# KiCad board poly_kb.kicad_pcb (continued)
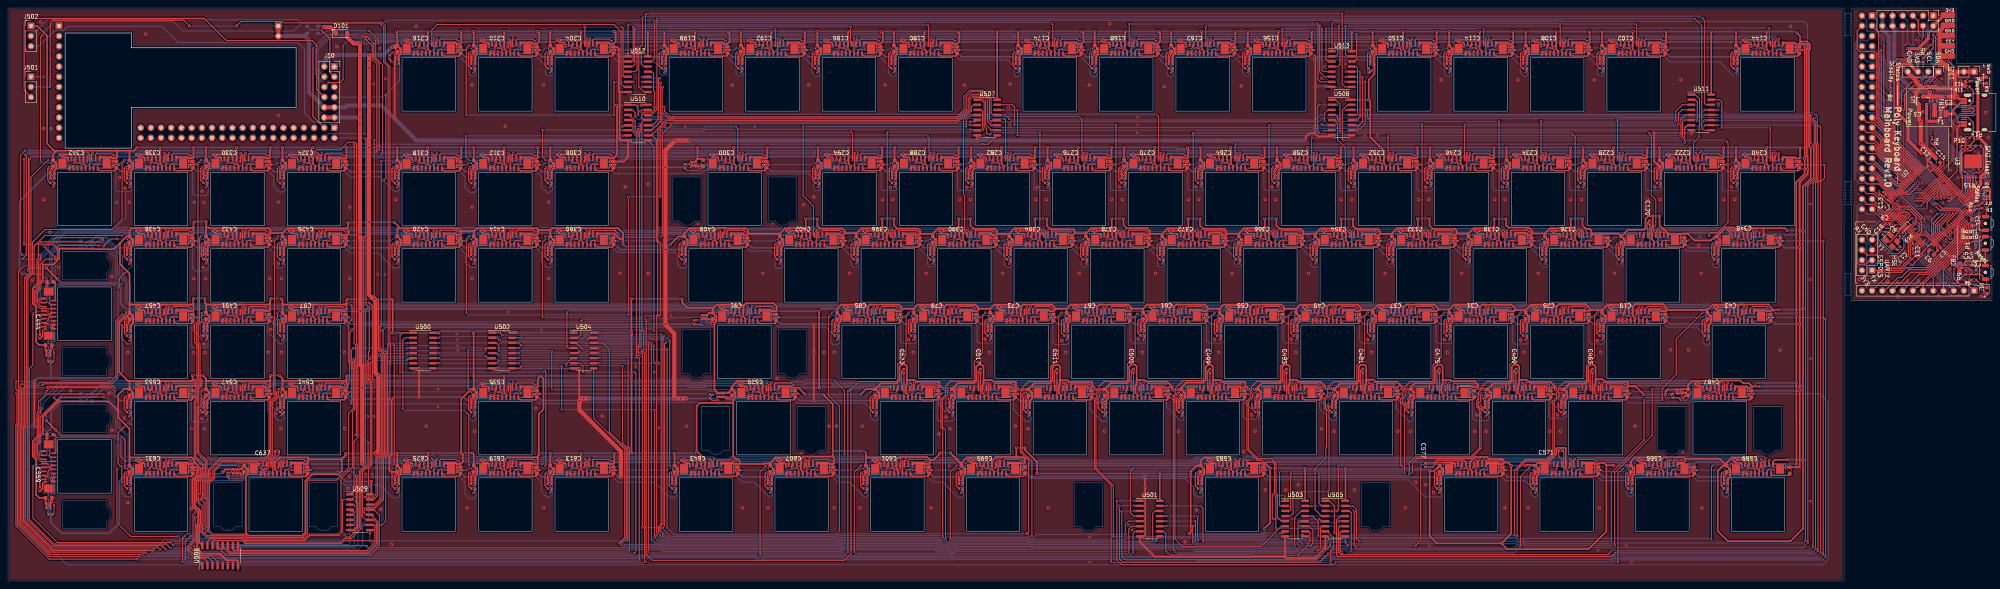
[diagram p0: board, top side]
## Routing (per net, layer and track width the routed paths; a pad name or vN(x,y) marks a point on that pad's centre or on a via; arc(x,y) is an arc through that point) (continued)
  Bottom w0.254: 349.41,135.82 349.41,135.52 v2(349.7,135.23) ; 173.04,135.82 173.04,135.52 v2(173.33,135.23) ; 144.62,107.25 144.62,106.94 v2(144.91,106.66) ; 125.57,107.2 125.57,106.89 v2(125.86,106.61) ; 106.52,107.2 106.52,106.89 v2(106.81,106.61) ; 77.95,107.2 77.95,106.89 v2(78.23,106.61) ; 58.9,107.25 58.9,106.94 v2(59.18,106.66) ; 39.85,107.25 39.85,106.94 v2(40.13,106.66) ; 20.8,107.25 20.8,106.94 v2(21.08,106.66) ; 125.57,50.1 125.57,49.79 v2(125.86,49.51) ; 144.62,31.05 144.62,30.74 v2(144.91,30.46) ; 175.58,30.74 v2(175.87,30.46) ; v2(175.87,30.46) 175.38,30.94 172.51,30.94 172.34,31.12 133.47,31.12 ; v2(175.87,30.46) 179.35,30.46 179.88,30.99 199.08,30.99 v2(199.68,30.39) ; v2(125.86,135.23) 125.58,135.52 125.58,135.82 ; 220.82,87.45 v2(220.89,87.39) ; v2(220.89,87.39) 221.54,88.04 239.28,88.04 239.88,87.43 v2(239.88,87.32) ; v2(220.89,87.39) 220.24,88.04 202.13,88.04 201.82,87.73 v2(201.82,87.42) 201.82,87.74 201.29,88.27 194.28,88.27 193.95,87.93 183.26,87.93 183.23,87.9 178.95,87.9 v2(178.37,87.32) 177.59,88.11 174.92,88.11 174.92,88.11 172.32,88.11 172.31,88.11 161.9,88.11 161.14,87.35 v2(144.91,87.35) ; 316.07,87.33 v2(316.08,87.32) ; v2(316.08,87.32) 315.39,88.01 297.72,88.01 v2(297.03,87.32) ; v2(316.08,87.32) 316.72,87.96 333.58,87.96 333.68,88.06 334.62,88.06 335.13,87.55 v2(335.13,87.32) ; 133.47,31.12 133.47,31.11 ; 133.47,31.12 133.09,30.73 131.72,30.73 131.7,30.75 130.84,30.75 130.82,30.73 126.38,30.73 v2(125.86,30.21) 125.57,30.5 125.57,30.51 125.09,30.99 115.44,30.99 115.19,31.24 107.59,31.24 v2(106.81,30.46) 106.02,31.24 95.22,31.24 94.85,30.88 69.4,30.88 v2(68.7,30.18) 68.48,30.4 68.48,30.45 68.01,30.92 62.95,30.92 62.66,30.63 47.06,30.63 46.94,30.75 40.77,30.75 v2(40.19,30.18) ; v2(230.49,135.23) 230.49,135.52 230.19,135.82 ; v2(344.95,106.66) 344.95,106.95 344.65,107.25 ; v2(4.21,107.3) 4.23,107.32 10.47,107.32 ; 354.17,87.53 v2(354.28,87.43) ; v2(354.28,87.43) 353.7,88.01 335.82,88.01 v2(335.13,87.32) ; v2(354.28,87.43) 354.79,87.93 371.88,87.93 372.03,88.09 372.55,88.09 v2(373.19,87.44) ; 410.14,107.32 353.09,107.32 ; 410.14,107.32 439.82,107.32 439.98,107.16 ; 410.14,107.32 410.05,107.32 ; 325.6,107.25 325.9,106.95 v2(325.9,106.66) ; 92.56,107.57 92.71,107.57 93.01,107.27 133.62,107.27 133.66,107.31 133.82,107.31 133.83,107.32 172.23,107.32 ; 211.48,135.79 250.05,135.79 250.15,135.89 251.03,135.89 ; 211.48,135.79 201.26,135.79 201.15,135.89 166,135.89 165.9,135.79 159.19,135.79 159.09,135.89 133.83,135.89 133.83,135.89 114.78,135.89 114.73,135.94 88.25,135.94 v2(88.07,135.77) 87.89,135.94 79.91,135.94 76.53,132.56 76.53,126.3 78.21,124.62 79.85,124.62 J10.5 ; 211.48,135.79 211.44,135.75 v2(211.44,135.23) ; v2(225.68,49.31) 226.31,49.94 226.31,49.96 243.92,49.96 v2(244.64,49.25) 245.11,49.25 245.82,49.96 262.96,49.96 262.96,49.96 263.03,49.96 v2(263.77,49.23) ; v2(225.68,49.31) 225.59,49.41 ; v2(225.68,49.31) 225.68,49.45 224.96,50.17 221.82,50.17 221.28,49.63 206.27,49.63 205.74,50.17 ; v2(263.77,49.23) 263.69,49.31 ; v2(263.77,49.23) 264.52,49.99 282.41,49.99 282.74,49.66 v2(282.74,49.22) ; v2(106.83,135.23) 106.83,135.52 106.52,135.82 ; v2(320.8,49.35) 321.46,50.01 339.1,50.01 v2(339.89,49.22) ; v2(320.8,49.35) 320.8,49.46 320.27,49.99 302.55,49.99 v2(301.79,49.22) 301.79,49.44 301.24,49.99 283.51,49.99 v2(282.74,49.22) ; v2(320.8,49.35) 320.84,49.39 ; v2(258.93,87.32) 258.93,87.46 258.38,88.01 240.57,88.01 v2(239.88,87.32) ; v2(258.93,87.32) 259.62,88.01 277.39,88.01 277.98,87.42 v2(277.98,87.32) ; v2(258.93,87.32) 258.92,87.33 ; 382.75,107.25 383.05,106.95 v2(383.05,106.66) ; v2(199.68,30.39) 200.02,30.74 204.09,30.74 204.47,31.12 208.28,31.12 ; v2(199.68,30.39) 199.39,30.68 ; 251.03,135.89 252.08,135.89 252.18,135.79 261.44,135.79 ; 251.03,135.89 250.35,135.89 ; 171.93,107.32 172.23,107.32 ; 172.23,107.32 200.78,107.32 ; v2(397.1,49.28) 396.31,50.06 378.83,50.06 v2(377.99,49.22) ; v2(397.1,49.28) 397.84,50.01 422.36,50.01 422.37,50.02 424.98,50.02 424.98,50.01 427.62,50.01 v2(428.28,49.35) ; v2(397.1,49.28) 397.04,49.34 ; v2(318.6,135.23) 318.6,135.52 318.3,135.82 ; 230.35,107.25 230.65,106.95 v2(230.65,106.66) ; 268.45,107.25 268.75,106.95 v2(268.75,106.66) ; v2(239.88,87.32) 239.87,87.33 ; 144.62,135.82 144.93,135.52 v2(144.93,135.23) ; v2(277.98,87.32) 277.97,87.33 ; v2(277.98,87.32) 278.72,88.06 296.29,88.06 v2(297.03,87.32) ; 208.28,31.12 208.28,31.62 v2(208.28,31.62) ; 208.28,31.12 208.28,31.12 216.41,31.12 216.54,30.99 222.88,30.99 v2(223.58,30.28) 224.05,30.75 235.57,30.75 235.8,30.99 246.42,30.99 v2(247.15,30.26) ; v2(440.19,106.67) 440.19,106.96 439.9,107.25 ; v2(358.94,49.22) 358.94,49.27 358.17,50.04 340.71,50.04 v2(339.89,49.22) ; v2(358.94,49.22) 358.94,49.23 ; v2(358.94,49.22) 359.73,50.01 377.47,50.01 377.99,49.49 v2(377.99,49.22) ; 67.22,107.27 67.17,107.32 29.05,107.32 10.47,107.32 ; 67.22,107.27 91.41,107.27 91.69,107.54 v2(92.41,107.54) ; 67.22,107.27 67.15,107.27 ; v2(297.03,87.32) 297.02,87.33 ; 125.57,87.64 v2(125.86,87.35) 126.6,88.09 137.69,88.09 137.69,88.09 138.92,88.09 138.93,88.1 141.53,88.1 141.54,88.09 144.17,88.09 v2(144.91,87.35) ; v2(406.86,135.23) 406.86,135.52 406.56,135.82 ; 335.12,87.33 v2(335.13,87.32) ; 353.09,107.32 334.04,107.32 ; 353.09,107.32 352.9,107.32 ; v2(435.48,87.33) 434.72,88.09 432.03,88.09 432.03,88.09 429.42,88.09 429.42,88.09 411.27,88.09 v2(410.98,87.8) 410.65,88.13 409.52,88.13 409.35,87.96 392.81,87.96 392.71,87.86 v2(391.67,87.86) 391.24,88.29 390.17,88.29 389.78,87.9 378.15,87.9 377.69,87.44 v2(373.19,87.44) ; v2(364,106.66) 364,106.95 363.7,107.25 ; v2(377.99,49.22) 377.99,49.33 ; v2(339.89,49.22) 339.89,49.23 ; v2(192.39,135.23) 192.39,135.52 192.09,135.82 ; 261.44,135.79 261.45,135.78 v2(261.45,135.23) 261.45,135.52 ; 261.44,135.79 270.95,135.79 ; 205.74,50.17 198.53,50.17 198.17,49.81 195.16,49.81 194.86,49.51 v2(190.15,49.51) 189.63,49.51 189.1,50.04 173.6,50.04 173.1,49.53 170.05,49.53 169.42,50.17 91.18,50.17 v2(91.07,50.06) 90.71,50.42 84.87,50.42 84.26,49.8 83.5,49.8 82.99,49.29 82.99,49.28 v2(78.23,49.28) 77.55,49.96 77.55,49.96 77.5,50.01 64.4,50.01 64.11,49.72 63.79,49.72 63.3,49.23 v2(59.18,49.23) 58.9,49.51 58.9,49.61 58.5,50 47.1,50 46.99,50.11 46.99,50.17 46.84,50.32 45.9,50.32 45.57,49.99 40.9,49.99 v2(40.13,49.23) 39.4,49.96 39.4,49.99 13.32,49.99 8.12,44.8 v2(8.12,43.12) ; 205.74,50.17 205.74,50.02 v2(205.74,50.01) ; v2(211.6,106.66) 211.6,106.95 211.3,107.25 ; v2(387.81,135.23) 387.81,135.52 387.51,135.82 ; 249.4,107.25 249.7,106.95 v2(249.7,106.66) ; 200.78,107.32 200.5,107.32 ; 200.78,107.32 291.09,107.32 291.11,107.3 294.21,107.3 294.23,107.32 334.04,107.32 ; v2(287.8,106.66) 287.8,106.95 287.5,107.25 ; v2(282.74,49.22) 282.74,49.23 ; 338.61,135.89 338.79,135.89 ; 338.79,135.89 357.86,135.89 ; 338.79,135.89 336.22,135.89 336.11,135.79 335.57,135.79 335.46,135.89 312.56,135.89 312.43,135.77 289.52,135.77 289.49,135.79 270.95,135.79 ; 10.47,107.32 10,107.32 ; 357.66,135.89 357.86,135.89 ; 357.86,135.89 429.1,135.89 439.97,135.89 440.19,135.67 v2(440.19,135.24) ; v2(299.55,135.23) 299.55,135.52 299.25,135.82 ; 247.02,30.39 v2(247.15,30.26) ; v2(247.15,30.26) 247.75,30.86 254.25,30.86 255.04,30.07 294.77,30.07 295.63,30.94 306.2,30.94 306.68,30.46 v2(306.83,30.46) 307.7,30.46 308.36,31.12 309.65,31.12 309.85,30.91 355.26,30.91 355.33,30.98 365.62,30.98 365.76,30.84 365.76,30.8 366.26,30.3 v2(366.37,30.3) 366.98,30.91 389.72,30.91 v2(390.18,30.46) 390.51,30.78 404.47,30.78 404.8,31.12 413.07,31.12 v2(413.99,30.2) 414.84,30.2 415.09,30.45 415.1,30.45 415.75,31.09 417.8,31.09 417.98,30.91 431.67,30.91 431.75,30.99 437.27,30.99 v2(437.67,30.59) ; 368.46,135.82 368.76,135.52 v2(368.76,135.23) ; 182.72,107.25 183.03,106.95 v2(183.03,106.66) ; 144.62,87.64 v2(144.91,87.35) ; v2(373.19,87.44) 373.22,87.48 ; 334.04,107.32 333.85,107.32 ; v2(433.04,68.27) 432.25,69.06 422.05,69.06 421.97,68.99 407.67,68.99 v2(406.96,68.27) 406.14,69.09 388.69,69.09 v2(387.88,68.27) 387.51,68.64 387.5,68.64 387.08,69.06 384.47,69.06 384.47,69.06 381.86,69.06 381.86,69.06 370.01,69.06 369.85,69.22 369.69,69.22 v2(368.75,68.27) 367.93,69.09 350.51,69.09 v2(349.7,68.27) 348.91,69.06 331.43,69.06 v2(330.65,68.28) 329.86,69.06 312.47,69.06 v2(311.68,68.27) 311.31,68.64 311.31,68.65 310.92,69.04 308.2,69.04 308.2,69.04 305.6,69.04 305.6,69.04 293.4,69.04 v2(292.63,68.27) 291.82,69.09 274.42,69.09 v2(273.61,68.27) 273.21,68.67 273.19,68.67 272.77,69.09 255.41,69.09 v2(254.6,68.27) 253.81,69.06 236.38,69.06 v2(235.59,68.27) 235.11,68.75 235.11,68.75 234.8,69.06 232.07,69.06 232.07,69.06 229.46,69.06 229.46,69.06 217.34,69.06 v2(216.55,68.27) 215.76,69.06 213.08,69.06 213.06,69.08 210.46,69.08 210.45,69.06 185.9,69.06 v2(185.39,68.56) 184.88,69.06 182.07,69.06 182.06,69.06 179.46,69.06 179.46,69.06 90.24,69.06 v2(89.92,69.39) 85.13,69.39 84.96,69.22 83.62,69.22 82.7,68.3 v2(78.23,68.3) 77.95,68.59 77.95,68.59 77.5,69.04 64.8,69.04 64.62,68.86 64.01,68.86 63.45,68.3 v2(59.18,68.3) 58.9,68.59 58.87,68.59 58.39,69.06 55.87,69.06 55.86,69.07 53.26,69.07 53.26,69.06 40.9,69.06 v2(40.13,68.3) 39.35,69.09 31.05,69.09 30.47,69.67 30.47,74.25 28.48,76.23 28.48,81.05 24.54,85 v2(23.62,85) ; 401.8,107.25 402.1,106.95 v2(402.1,106.66) ; v2(3.55,81.34) 3.56,81.35 v2(8.11,81.35) 9.65,82.89 9.65,83.72 11.16,85.22 v2(11.44,85.22) 13.63,87.41 26.64,87.41 27.35,88.11 39.4,88.11 v2(40.13,87.38) 40.9,88.14 58.4,88.14 v2(59.18,87.35) 59.92,88.09 71,88.09 71.01,88.09 72.25,88.09 72.25,88.09 74.85,88.09 74.86,88.09 77.47,88.09 v2(78.23,87.33) 78.69,87.78 83.67,87.78 84.01,88.11 100.87,88.11 100.87,88.11 103.48,88.11 103.48,88.11 106.05,88.11 v2(106.81,87.35) 111.28,87.35 112.07,88.14 124.48,88.14 124.49,88.14 125.08,88.14 125.58,87.64 ; v2(280.5,135.23) 280.5,135.52 280.2,135.82 ; 270.34,135.79 270.95,135.79 ; 306.55,107.25 306.85,106.95 v2(306.85,106.66)
MOSI1: length 3305.6
  Top w0.254: v2(412.26,134.6) 411.75,135.11 407.8,135.11 407.56,134.88 J102.14 ; v2(393.21,134.6) 392.7,135.11 388.75,135.11 388.51,134.88 J103.14 ; v2(374.16,134.6) 373.65,135.11 369.7,135.11 369.46,134.88 J104.14 ; v2(355.11,134.6) 354.6,135.11 350.65,135.11 350.41,134.88 J118.14 ; v2(323.99,134.6) 323.48,135.11 319.53,135.11 319.3,134.88 J119.14 ; v2(304.94,134.6) 304.43,135.11 300.48,135.11 300.25,134.88 J120.14 ; v2(285.89,134.6) 285.38,135.11 281.43,135.11 281.2,134.88 J121.14 ; v2(266.84,134.6) 266.33,135.11 262.38,135.11 262.15,134.88 J122.14 ; v2(235.89,134.6) 235.38,135.11 231.42,135.11 231.19,134.88 J123.14 ; v2(216.84,134.6) 216.33,135.11 212.37,135.11 212.14,134.88 J124.14 ; v2(197.79,134.6) 197.28,135.11 193.32,135.11 193.09,134.88 J125.14 ; v2(178.74,134.6) 178.23,135.11 174.27,135.11 174.04,134.88 J126.14 ; v2(150.32,134.6) 149.81,135.11 145.86,135.11 145.62,134.88 J127.14 ; v2(112.22,134.6) 111.71,135.11 107.76,135.11 107.53,134.88 J129.14 ; v2(426.54,106.03) 426.04,106.54 422.08,106.54 421.85,106.3 J130.14 ; v2(407.49,106.03) 406.99,106.54 403.03,106.54 402.8,106.3 J131.14 ; v2(388.44,106.03) 387.94,106.54 383.98,106.54 383.75,106.3 J132.14 ; v2(369.39,106.03) 368.89,106.54 364.93,106.54 364.7,106.3 J134.14 ; v2(350.34,106.03) 349.84,106.54 345.88,106.54 345.65,106.3 J135.14 ; v2(331.29,106.03) 330.79,106.54 326.83,106.54 326.6,106.3 J136.14 ; v2(312.24,106.03) 311.74,106.54 307.78,106.54 307.55,106.3 J137.14 ; v2(293.19,106.03) 292.69,106.54 288.73,106.54 288.5,106.3 J138.14 ; v2(274.14,106.03) 273.64,106.54 269.68,106.54 269.45,106.3 J139.14 ; v2(255.09,106.03) 254.59,106.54 250.63,106.54 250.4,106.3 J140.14 ; v2(236.04,106.03) 235.54,106.54 231.58,106.54 231.35,106.3 J141.14 ; v2(216.99,106.03) 216.49,106.54 212.53,106.54 212.3,106.3 J142.14 ; v2(188.42,106.03) 187.91,106.54 183.96,106.54 183.72,106.3 J143.14 ; v2(150.32,106.03) 149.81,106.54 145.86,106.54 145.62,106.3 J144.14 ; v2(131.27,105.98) 130.76,106.49 126.81,106.49 126.57,106.25 J145.14 ; v2(112.22,105.98) 111.71,106.49 107.76,106.49 107.53,106.25 J146.14 ; v2(83.64,105.98) 83.14,106.49 79.18,106.49 78.95,106.25 J147.14 ; v2(64.59,106.03) 64.09,106.54 60.13,106.54 59.9,106.3 J148.14 ; v2(45.54,106.03) 45.04,106.54 41.08,106.54 40.85,106.3 J149.14 ; v2(26.5,106.03) 25.99,106.54 22.03,106.54 21.8,106.3 J150.14 ; v2(283.67,86.98) 283.16,87.49 279.21,87.49 278.98,87.25 J113.14 ; v2(131.27,86.98) 130.76,87.49 126.81,87.49 126.57,87.25 J153.14 ; v2(64.59,86.98) 64.09,87.49 60.13,87.49 59.9,87.25 J156.14 ; v2(45.54,86.98) 45.04,87.49 41.08,87.49 40.85,87.25 J157.14 ; v2(355.11,67.93) 354.6,68.44 350.65,68.44 350.41,68.2 J16.14 ; v2(317.01,67.93) 316.5,68.44 312.55,68.44 312.31,68.2 J19.14 ; v2(297.96,67.93) 297.45,68.44 293.5,68.44 293.26,68.2 J20.14 ; v2(190.8,67.93) 190.29,68.44 186.34,68.44 186.11,68.2 J25.14 ; v2(45.54,67.93) 45.04,68.44 41.08,68.44 40.85,68.2 J28.14 ; v2(131.27,48.88) 130.76,49.39 126.81,49.39 126.57,49.15 J41.14 ; v2(395.59,29.83) 395.08,30.34 391.13,30.34 390.89,30.1 J47.14 ; v2(205.09,29.83) 204.58,30.34 200.63,30.34 200.39,30.1 J53.14 ; v2(150.32,29.83) 149.81,30.34 145.86,30.34 145.62,30.1 J54.14 ; v2(112.22,29.83) 111.71,30.34 107.76,30.34 107.53,30.1 J56.14 ; v2(131.27,134.6) 130.76,135.11 126.81,135.11 126.58,134.88 J128.14 ; v2(345.33,49) 345.12,49.21 340.94,49.21 340.89,49.15 J32.14 ; J59.14 176.58,30.1 176.64,30.16 180.49,30.16 180.85,29.81 v2(181.27,29.81) ; J108.14 374.23,87.25 374.46,87.49 378.39,87.49 v2(378.92,86.96) ; J18.14 331.36,67.75 332.05,68.44 335.55,68.44 v2(336.06,67.93) ; J110.14 145.62,87.25 145.8,87.43 151.05,87.43 v2(152.07,86.4) ; v2(374.16,67.93) 373.81,68.28 369.54,68.28 369.46,68.2 J15.14 ; J10.6 79.85,124.3 82.67,124.3 83.44,125.07 v2(83.44,133.55) ; J109.14 336.12,87.25 336.17,87.3 340.57,87.3 v2(340.85,87.02) ; v2(112.22,86.96) 111.7,87.49 107.76,87.49 107.53,87.25 J154.14 ; J50.14 438.52,30.1 v2(438.66,30.25) ; J23.14 236.11,67.75 236.8,68.44 240.3,68.44 v2(240.81,67.93) ; 12.16,44.99 13.02,45.85 v2(23.84,45.85) ; 12.16,44.99 v2(11.43,45.72) ; 12.16,44.99 7.99,40.82 7.99,36.27 8.19,36.07 8.19,34.72 7.39,33.91 7.39,31.75 7.82,31.33 J45.14 ; J151.14 202.77,87.25 202.92,87.4 207.03,87.4 v2(207.47,86.97) ; J114.14 259.93,87.25 259.93,87.26 264.33,87.26 v2(264.62,86.97) ; v2(288.33,49.04) 288.14,49.23 283.82,49.23 283.74,49.15 J36.14 ; J33.14 428.99,48.76 v2(429.29,49.05) ; J17.14 433.76,67.75 434.44,68.44 437.94,68.44 v2(438.45,67.93) ; v2(269.38,48.88) 269.11,49.16 264.69,49.16 264.69,49.15 J37.14 ; v2(89.66,49.32) 89.34,49.64 89.34,53.91 89.05,54.19 89.05,67.62 v2(89.36,67.92) ; v2(231.28,48.88) 231.01,49.16 227.18,49.16 226.59,48.56 J39.14 ; v2(245.57,86.98) 245.22,87.33 240.95,87.33 240.88,87.25 J115.14 ; v2(183.66,86.98) 183.16,87.48 179.19,87.48 178.96,87.25 J152.14 ; J42.14 78.95,49.15 79.18,49.39 83.4,49.39 v2(83.93,48.86) ; v2(22.7,83.66) 12.74,83.66 12.15,83.08 ; J58.14 69.43,30.1 69.66,30.34 73.6,30.34 v2(74.12,29.82) ; v2(45.54,29.81) 45.02,30.34 41.08,30.34 40.85,30.1 J57.14 ; v2(411.97,87.14) 412.32,86.79 J105.14 ; J116.14 221.82,87.25 221.95,87.38 226.12,87.38 v2(226.52,86.98) ; J27.14 59.9,68.2 60.13,68.44 64.08,68.44 v2(64.6,67.91) ; v2(402.73,48.88) 402.43,49.18 398.07,49.18 398.04,49.15 J29.14 ; v2(91.24,135) 91.55,134.69 91.55,130.45 93.27,128.73 93.27,106.6 v2(92.96,106.3) ; v2(321.77,86.97) 321.39,87.35 317.17,87.35 317.07,87.25 J111.14 ; v2(383.68,48.88) 383.38,49.18 379.02,49.18 378.99,49.15 J30.14 ; J158.14 7.81,69.41 7.38,69.84 7.38,72 8.19,72.8 8.19,74.16 7.99,74.36 7.99,78.91 9.35,80.27 11.97,80.27 12.26,80.57 12.26,82.97 12.15,83.08 ; J43.14 59.9,49.15 60.13,49.39 64.09,49.39 v2(64.6,48.88) ; v2(131.27,29.81) 130.74,30.34 126.81,30.34 126.57,30.1 J55.14 ; J38.14 245.64,49.15 245.69,49.21 249.99,49.21 v2(250.33,48.87) ; v2(416.82,30.14) 414.75,30.14 414.71,30.1 J46.14 ; 12.15,83.08 12.08,83.08 v2(11.23,83.93) 8.37,83.93 v2(8.35,83.91) ; J117.14 440.9,135.11 v2(441.02,135.23) ; v2(392.96,86.92) 393.27,86.6 J106.14 ; J133.14 440.9,106.56 v2(440.97,106.63) ; v2(259.86,67.93) 259.35,68.44 255.85,68.44 255.16,67.75 J22.14 ; v2(359.88,86.99) 359.54,87.33 355.25,87.33 355.18,87.25 J107.14 ; J44.14 40.85,49.15 41.03,49.33 v2(46.25,49.33) ; J112.14 298.02,87.25 298.1,87.33 302.35,87.33 v2(302.72,86.96) ; v2(436.4,87.17) 436.14,86.91 J101.14 ; v2(364.89,48.99) 364.58,49.29 360.08,49.29 359.94,49.15 J31.14 ; J24.14 217.06,67.75 217.75,68.44 221.25,68.44 v2(221.76,67.93) ; J34.14 321.84,49.15 321.89,49.21 326.2,49.21 v2(326.53,48.88) ; J155.14 78.95,87.25 79.18,87.49 83.7,87.49 v2(84.22,86.96) ; v2(195.57,48.86) 195.04,49.39 191.1,49.39 190.87,49.15 J40.14 ; v2(83.65,67.91) 83.13,68.44 79.18,68.44 78.95,68.2 J26.14 ; J13.14 407.56,67.75 408.25,68.44 411.75,68.44 v2(412.26,67.93) ; v2(392.93,68.09) 392.53,68.49 388.8,68.49 388.51,68.2 J14.14 ; J35.14 302.79,49.15 302.84,49.21 306.99,49.21 v2(307.18,49.02) ; v2(371.78,29.81) 371.64,29.95 368.62,29.95 368.44,30.12 367.1,30.12 367.08,30.1 J48.14 ; v2(309.06,30.17) 307.62,30.17 307.55,30.1 J49.14 ; v2(3.98,83.96) 3.98,105.17 v2(3.96,105.19) ; J21.14 274.21,67.75 274.9,68.44 278.4,68.44 v2(278.91,67.93) ; J51.14 248.02,30.1 248.27,30.35 252.16,30.35 v2(252.6,29.92) ; v2(228.9,29.81) 228.37,30.34 224.44,30.34 224.21,30.1 J52.14
  Bottom w0.254: 114.93,49.38 115.07,49.38 ; 115.07,49.38 115.05,49.36 91.71,49.36 91.22,48.86 89.18,48.86 88.69,49.36 ; 115.07,49.38 123.89,49.38 124.34,48.93 125.03,48.93 125.67,48.29 126.76,48.29 127.35,48.88 v2(131.27,48.88) 131.77,49.38 169.04,49.38 169.66,48.76 173.41,48.76 173.9,49.25 179.02,49.25 179.05,49.22 184.52,49.22 184.54,49.25 188.27,49.25 189.23,48.29 191.05,48.29 191.48,48.71 195.41,48.71 v2(195.57,48.86) 198.31,48.86 198.63,49.18 205.2,49.18 205.51,48.86 221.6,48.86 221.93,49.19 224.09,49.19 225,48.29 226.77,48.29 227.36,48.88 v2(231.28,48.88) 231.6,49.19 243,49.19 243.92,48.28 245.81,48.28 246.4,48.87 v2(250.33,48.87) 250.66,49.19 262.13,49.19 263.04,48.28 264.19,48.28 264.79,48.88 v2(269.38,48.88) 269.68,49.17 279.01,49.17 279.03,49.19 281.15,49.19 282.07,48.28 283.91,48.28 284.67,49.04 v2(288.33,49.04) 288.5,49.22 300.23,49.22 301.17,48.28 302.96,48.28 303.7,49.02 v2(307.18,49.02) 307.36,49.2 319.27,49.2 320.18,48.29 322.02,48.29 322.61,48.88 v2(326.53,48.88) 326.85,49.2 338.29,49.2 339.21,48.28 341.06,48.28 341.78,49 v2(345.33,49) 345.55,49.22 357.36,49.22 358.3,48.28 360.11,48.28 360.95,49.12 364.76,49.12 v2(364.89,48.99) 365.15,49.24 376.44,49.24 377.41,48.28 379.16,48.28 379.76,48.88 v2(383.68,48.88) 384.03,49.23 395.51,49.23 396.45,48.29 398.22,48.29 398.81,48.88 v2(402.73,48.88) 403.1,49.24 422.68,49.24 422.69,49.25 424.66,49.25 424.67,49.24 426.45,49.24 426.95,48.74 428.98,48.74 v2(429.29,49.05) ; v2(436.4,87.17) 435.99,86.76 434.19,86.76 433.63,87.32 431.71,87.32 431.71,87.32 429.74,87.32 429.74,87.32 412.15,87.32 v2(411.97,87.14) 411.66,86.84 410.28,86.84 410.2,86.92 v2(392.96,86.92) 392.65,86.62 391.23,86.62 390.75,87.09 379.06,87.09 v2(378.92,86.96) 378.29,86.96 378.01,86.68 374.7,86.68 374.41,86.39 372.6,86.39 371.95,87.04 359.93,87.04 v2(359.88,86.99) 355.96,86.99 355.35,86.38 353.44,86.38 352.72,87.1 340.93,87.1 v2(340.85,87.02) 336.94,87.02 336.3,86.38 334.37,86.38 333.63,87.12 321.93,87.12 v2(321.77,86.97) 317.84,86.97 317.25,86.38 315.3,86.38 314.6,87.07 302.83,87.07 v2(302.72,86.96) 298.78,86.96 298.2,86.38 296.31,86.38 295.57,87.12 283.81,87.12 v2(283.67,86.98) 279.75,86.98 279.15,86.38 277.25,86.38 276.48,87.14 264.8,87.14 v2(264.62,86.97) ; v2(264.62,86.97) 264.62,86.98 264.74,87.1 ; v2(264.62,86.97) 260.69,86.97 260.1,86.38 258.2,86.38 257.51,87.07 248.59,87.07 248.5,86.98 v2(245.57,86.98) 241.65,86.98 241.05,86.38 239.18,86.38 238.46,87.1 226.64,87.1 v2(226.52,86.98) 222.6,86.98 222.01,86.39 220.12,86.39 219.43,87.07 207.57,87.07 v2(207.47,86.97) 203.54,86.97 202.96,86.39 201.18,86.39 200.09,87.48 194.59,87.48 194.08,86.98 v2(183.66,86.98) 183.57,86.89 179.64,86.89 179.14,86.38 177.38,86.38 176.44,87.32 174.63,87.32 174.6,87.35 172.63,87.35 172.61,87.32 162.19,87.32 161.28,86.4 v2(152.07,86.4) 151.89,86.58 146,86.58 145.81,86.39 143.94,86.39 143.01,87.32 141.22,87.32 141.21,87.33 139.25,87.33 139.24,87.32 138.01,87.32 137.88,87.19 131.48,87.19 v2(131.27,86.98) 127.35,86.98 126.76,86.39 124.98,86.39 124.02,87.35 122.24,87.35 122.23,87.35 112.62,87.35 v2(112.22,86.96) 111.97,86.96 111.6,86.58 107.9,86.58 107.71,86.39 105.86,86.39 104.9,87.34 103.16,87.34 103.16,87.35 101.19,87.35 101.17,87.33 84.59,87.33 v2(84.22,86.96) 79.7,86.96 79.13,86.38 77.29,86.38 76.38,87.29 74.66,87.29 74.62,87.33 72.57,87.33 72.56,87.32 71.33,87.32 71.32,87.32 64.94,87.32 v2(64.59,86.98) 60.67,86.98 60.08,86.39 58.31,86.39 57.38,87.32 55.55,87.32 55.53,87.34 53.56,87.34 53.54,87.32 45.89,87.32 v2(45.54,86.98) 41.62,86.98 41.03,86.39 39.12,86.39 38.19,87.32 36.48,87.32 36.46,87.34 34.5,87.34 34.48,87.32 27.64,87.32 26.96,86.64 14.2,86.64 11.48,83.93 v2(11.23,83.93) ; 10.22,106.53 5.29,106.53 v2(3.96,105.19) ; 10.22,106.53 10.15,106.53 ; 10.22,106.53 19.12,106.53 19.56,106.08 20.25,106.08 20.9,105.44 21.98,105.44 22.57,106.03 v2(26.5,106.03) 26.95,106.48 29.33,106.48 29.38,106.53 38.17,106.53 38.61,106.08 39.3,106.08 39.95,105.44 41.03,105.44 41.62,106.03 v2(45.54,106.03) 46.03,106.51 48.23,106.51 48.25,106.53 57.22,106.53 57.66,106.08 58.35,106.08 59,105.44 60.08,105.44 60.67,106.03 v2(64.59,106.03) 65.08,106.51 66.82,106.51 66.84,106.49 67.29,106.49 67.3,106.48 76.27,106.48 76.71,106.04 77.4,106.04 78.05,105.39 79.13,105.39 79.72,105.98 v2(83.64,105.98) 83.96,106.3 v2(92.96,106.3) 93.14,106.48 104.84,106.48 105.29,106.04 105.98,106.04 106.62,105.39 107.71,105.39 108.3,105.98 v2(112.22,105.98) 112.7,106.46 114.91,106.46 114.93,106.48 123.89,106.48 124.34,106.04 125.03,106.04 125.67,105.39 126.76,105.39 127.35,105.98 v2(131.27,105.98) 131.75,106.46 133.91,106.46 133.98,106.53 142.94,106.53 143.39,106.08 144.08,106.08 144.72,105.44 145.81,105.44 146.4,106.03 v2(150.32,106.03) 150.8,106.51 172.93,106.51 172.95,106.53 ; v2(3.98,83.96) 4.03,83.91 v2(8.35,83.91) ; 200.81,106.53 209.62,106.53 210.06,106.08 210.75,106.08 211.4,105.44 212.48,105.44 213.07,106.03 v2(216.99,106.03) 217.48,106.51 219.68,106.51 219.7,106.53 228.67,106.53 229.11,106.08 229.8,106.08 230.45,105.44 231.53,105.44 232.12,106.03 v2(236.04,106.03) 236.53,106.51 238.73,106.51 238.75,106.53 247.72,106.53 248.16,106.08 248.85,106.08 249.5,105.44 250.58,105.44 251.17,106.03 v2(255.09,106.03) 255.58,106.51 257.78,106.51 257.8,106.53 266.77,106.53 267.21,106.08 267.9,106.08 268.55,105.44 269.63,105.44 270.22,106.03 v2(274.14,106.03) 274.63,106.51 276.94,106.51 276.96,106.53 ; 200.81,106.53 200.8,106.51 188.9,106.51 v2(188.42,106.03) 184.5,106.03 183.91,105.44 182.82,105.44 182.18,106.08 181.49,106.08 181.04,106.53 172.95,106.53 ; 200.81,106.53 200.65,106.53 ; v2(438.45,67.93) 434.53,67.93 433.93,67.33 432.04,67.33 431.07,68.29 422.36,68.29 422.29,68.22 412.55,68.22 v2(412.26,67.93) 408.34,67.93 407.74,67.33 405.89,67.33 404.92,68.3 403.22,68.3 403.22,68.3 401.25,68.3 401.25,68.3 393.14,68.3 v2(392.93,68.09) 389.45,68.09 388.69,67.33 386.79,67.33 385.83,68.29 384.15,68.29 384.15,68.3 382.18,68.3 382.16,68.27 374.5,68.27 v2(374.16,67.93) 370.24,67.93 369.64,67.33 367.88,67.33 366.91,68.3 365.12,68.3 365.12,68.3 363.15,68.3 363.15,68.3 355.48,68.3 v2(355.11,67.93) 351.19,67.93 350.59,67.33 348.83,67.33 347.89,68.27 346.01,68.27 346,68.28 344.04,68.28 344.03,68.27 336.4,68.27 v2(336.06,67.93) 332.14,67.93 331.54,67.33 329.78,67.33 328.83,68.28 327.01,68.28 326.99,68.29 325.03,68.29 325.01,68.28 317.36,68.28 v2(317.01,67.93) 313.09,67.93 312.49,67.33 310.73,67.33 309.79,68.27 307.88,68.27 307.88,68.27 305.92,68.27 305.91,68.27 298.3,68.27 v2(297.96,67.93) 294.04,67.93 293.44,67.33 291.59,67.33 290.65,68.27 288.94,68.27 288.91,68.3 286.94,68.3 286.88,68.23 279.21,68.23 v2(278.91,67.93) 274.99,67.93 274.39,67.33 272.63,67.33 271.64,68.32 260.25,68.32 v2(259.86,67.93) 255.94,67.93 255.34,67.33 253.58,67.33 252.62,68.29 241.17,68.29 v2(240.81,67.93) 236.89,67.93 236.29,67.33 234.44,67.33 233.5,68.27 231.78,68.27 231.75,68.3 229.78,68.3 229.76,68.27 222.1,68.27 v2(221.76,67.93) 217.84,67.93 217.24,67.33 215.48,67.33 214.52,68.29 212.76,68.29 212.74,68.31 210.78,68.31 210.77,68.29 191.17,68.29 v2(190.8,67.93) 186.88,67.93 186.29,67.34 184.47,67.34 183.54,68.27 181.77,68.27 181.75,68.3 179.78,68.3 179.75,68.27 89.7,68.27 v2(89.36,67.92) 83.66,67.92 v2(83.65,67.91) 83.4,67.91 83.02,67.53 79.54,67.53 79.35,67.34 77.36,67.34 76.43,68.27 65.38,68.27 65.03,67.91 v2(64.6,67.91) 64.15,67.91 63.77,67.53 60.28,67.53 60.08,67.34 58.22,67.34 57.28,68.27 55.58,68.27 55.55,68.3 53.58,68.3 53.58,68.29 45.91,68.29 v2(45.54,67.93) 41.62,67.93 41.03,67.34 39.19,67.34 38.21,68.32 30.44,68.32 29.31,69.46 29.31,74.13 27.23,76.2 27.23,80.87 24.05,84.05 23.51,84.05 23.13,83.66 v2(22.7,83.66) ; 334.06,106.53 334.04,106.51 331.78,106.51 v2(331.29,106.03) 327.37,106.03 326.78,105.44 325.7,105.44 325.05,106.08 324.36,106.08 323.92,106.53 315.16,106.53 ; 334.06,106.53 342.97,106.53 343.41,106.08 344.1,106.08 344.75,105.44 345.83,105.44 346.42,106.03 v2(350.34,106.03) 350.83,106.51 353.03,106.51 353.05,106.53 362.02,106.53 362.46,106.08 363.15,106.08 363.8,105.44 364.88,105.44 365.47,106.03 v2(369.39,106.03) 369.88,106.51 372.08,106.51 372.1,106.53 381.07,106.53 381.51,106.08 382.2,106.08 382.85,105.44 383.93,105.44 384.52,106.03 v2(388.44,106.03) 388.93,106.51 391.13,106.51 391.15,106.53 400.12,106.53 400.56,106.08 401.25,106.08 401.9,105.44 402.98,105.44 403.57,106.03 v2(407.49,106.03) 407.98,106.51 410.18,106.51 410.2,106.53 419.17,106.53 420.26,105.44 422.03,105.44 422.62,106.03 v2(426.54,106.03) 427.05,106.53 438.22,106.53 438.66,106.08 440.42,106.08 v2(440.97,106.63) ; 334.06,106.53 334,106.53 ; v2(11.43,45.72) 14.93,49.22 38.27,49.22 39.21,48.28 41.03,48.28 41.97,49.22 46.14,49.22 v2(46.25,49.33) 46.34,49.24 57.36,49.24 58.32,48.28 60.06,48.28 60.24,48.46 63.62,48.46 64.03,48.88 v2(64.6,48.88) 64.97,49.24 76.4,49.24 77.32,48.33 79.19,48.33 79.36,48.51 83.58,48.51 v2(83.93,48.86) 84.4,48.86 84.7,49.16 88.48,49.16 88.69,49.36 ; 88.69,49.36 89.62,49.36 v2(89.66,49.32) ; 172.95,106.53 172.08,106.53 ; v2(441.02,135.23) 440.45,134.66 438.66,134.66 438.22,135.1 412.76,135.1 v2(412.26,134.6) 408.34,134.6 407.75,134.01 406.66,134.01 406.02,134.66 405.33,134.66 404.88,135.1 395.92,135.1 395.9,135.09 393.69,135.09 v2(393.21,134.6) 389.29,134.6 388.7,134.01 387.61,134.01 386.97,134.66 386.28,134.66 385.83,135.1 376.87,135.1 376.85,135.09 374.64,135.09 v2(374.16,134.6) 370.24,134.6 369.65,134.01 368.56,134.01 367.92,134.66 367.23,134.66 366.78,135.1 357.82,135.1 357.8,135.09 355.59,135.09 v2(355.11,134.6) 351.19,134.6 350.6,134.01 349.51,134.01 348.87,134.66 348.18,134.66 347.73,135.1 338.99,135.1 ; 276.96,106.53 276.85,106.53 ; 276.96,106.53 285.82,106.53 286.26,106.08 286.95,106.08 287.6,105.44 288.68,105.44 289.27,106.03 v2(293.19,106.03) 293.68,106.51 294.37,106.51 294.39,106.53 304.87,106.53 305.31,106.08 306,106.08 306.65,105.44 307.73,105.44 308.32,106.03 v2(312.24,106.03) 312.73,106.51 315.14,106.51 315.16,106.53 ; v2(23.84,45.85) 27.24,42.45 27.24,38.47 29.14,36.57 29.14,35.45 29.13,35.45 29.13,31.2 29.97,30.37 29.97,30.33 38.04,30.33 39.14,29.23 41.02,29.23 41.6,29.81 v2(45.54,29.81) 45.6,29.86 62.98,29.86 63.27,30.15 66.83,30.15 67.75,29.23 69.6,29.23 70.19,29.82 v2(74.12,29.82) 74.17,29.87 95.42,29.87 95.88,30.33 104.84,30.33 105.29,29.88 105.98,29.88 106.62,29.24 107.71,29.24 108.3,29.83 v2(112.22,29.83) 112.61,30.22 123.91,30.22 124.89,29.24 126.76,29.24 127.33,29.81 v2(131.27,29.81) 133.26,29.81 133.78,30.33 142.94,30.33 143.39,29.88 144.08,29.88 144.72,29.24 145.81,29.24 146.4,29.83 v2(150.32,29.83) 150.82,30.33 172.04,30.33 172.19,30.17 173.96,30.17 174.9,29.24 176.77,29.24 177.22,29.69 180.72,29.69 180.84,29.81 v2(181.27,29.81) 181.68,30.22 197.73,30.22 198.71,29.24 200.58,29.24 201.15,29.81 205.07,29.81 v2(205.09,29.83) 205.48,30.22 221.63,30.22 222.62,29.24 224.39,29.24 224.96,29.81 v2(228.9,29.81) 229.03,29.93 236.18,29.93 236.47,30.22 245.36,30.22 246.35,29.23 248.19,29.23 248.88,29.92 v2(252.6,29.92) 253.17,29.92 253.85,29.23 295.01,29.23 295.95,30.17 304.99,30.17 305.92,29.24 307.69,29.24 308.63,30.17 v2(309.06,30.17) 309.09,30.14 355.58,30.14 355.65,30.21 364.43,30.21 365.4,29.24 367.27,29.24 367.83,29.81 v2(371.78,29.81) 372.11,30.14 388.33,30.14 389.24,29.24 391.08,29.24 391.67,29.83 v2(395.59,29.83) 395.78,30.02 404.83,30.02 405.14,30.33 412.02,30.33 413.12,29.24 414.92,29.24 415.11,29.43 415.16,29.43 415.41,29.68 416.36,29.68 v2(416.82,30.14) 416.85,30.12 429.73,30.12 429.81,30.04 431.89,30.04 432.05,30.2 435.95,30.2 436.29,29.86 438.28,29.86 v2(438.66,30.25) ; 251.77,135.1 251.85,135.02 258.87,135.02 259.88,134.01 262.33,134.01 262.92,134.6 v2(266.84,134.6) 267.15,134.91 267.84,134.91 267.96,135.02 278.05,135.02 279.06,134.01 281.38,134.01 281.97,134.6 v2(285.89,134.6) 286.2,134.91 288.62,134.91 288.71,135 297.03,135 298.01,134.01 300.43,134.01 301.02,134.6 v2(304.94,134.6) 305.25,134.91 307.67,134.91 307.76,135 316.72,135 317.71,134.01 319.48,134.01 320.07,134.6 v2(323.99,134.6) 324.41,135.02 338.9,135.02 338.99,135.1 ; 251.77,135.1 251.69,135.02 236.31,135.02 v2(235.89,134.6) 231.96,134.6 231.38,134.01 228.97,134.01 227.96,135.02 217.95,135.02 217.84,134.91 217.14,134.91 v2(216.84,134.6) 212.91,134.6 212.33,134.01 210,134.01 208.99,135.02 200.57,135.02 200.46,134.91 198.09,134.91 v2(197.79,134.6) 193.86,134.6 193.28,134.01 190.82,134.01 189.81,135.02 179.16,135.02 v2(178.74,134.6) 174.81,134.6 174.23,134.01 172.45,134.01 171.36,135.1 166.3,135.1 166.22,135.02 150.74,135.02 v2(150.32,134.6) 146.4,134.6 145.81,134.01 144.72,134.01 144.08,134.66 143.39,134.66 142.94,135.1 133.98,135.1 133.96,135.09 131.75,135.09 v2(131.27,134.6) 127.35,134.6 126.76,134.01 125.67,134.01 125.03,134.66 124.34,134.66 123.89,135.11 114.78,135.11 114.78,135.1 112.72,135.1 v2(112.22,134.6) 108.3,134.6 107.71,134.01 105.93,134.01 104.84,135.1 89.7,135.1 89.24,134.64 88.7,134.64 88.65,134.7 84.58,134.7 v2(83.44,133.55) ; 251.77,135.1 250.5,135.1 ; 315.16,106.53 314.95,106.53 ; 338.99,135.1 338.77,135.1
